# Altium PCB ElectroSketch_01.PcbDoc
Units mil, origin at the board's own origin, x right, y up, seen from the top; angles counter-clockwise.
Board outline 3937.01 x 2440.95 mil, 2 copper layers (Top Layer, Bottom Layer), stack 65.792 mil thick; 21 components, 26 nets, 105 pads, 24 vias.
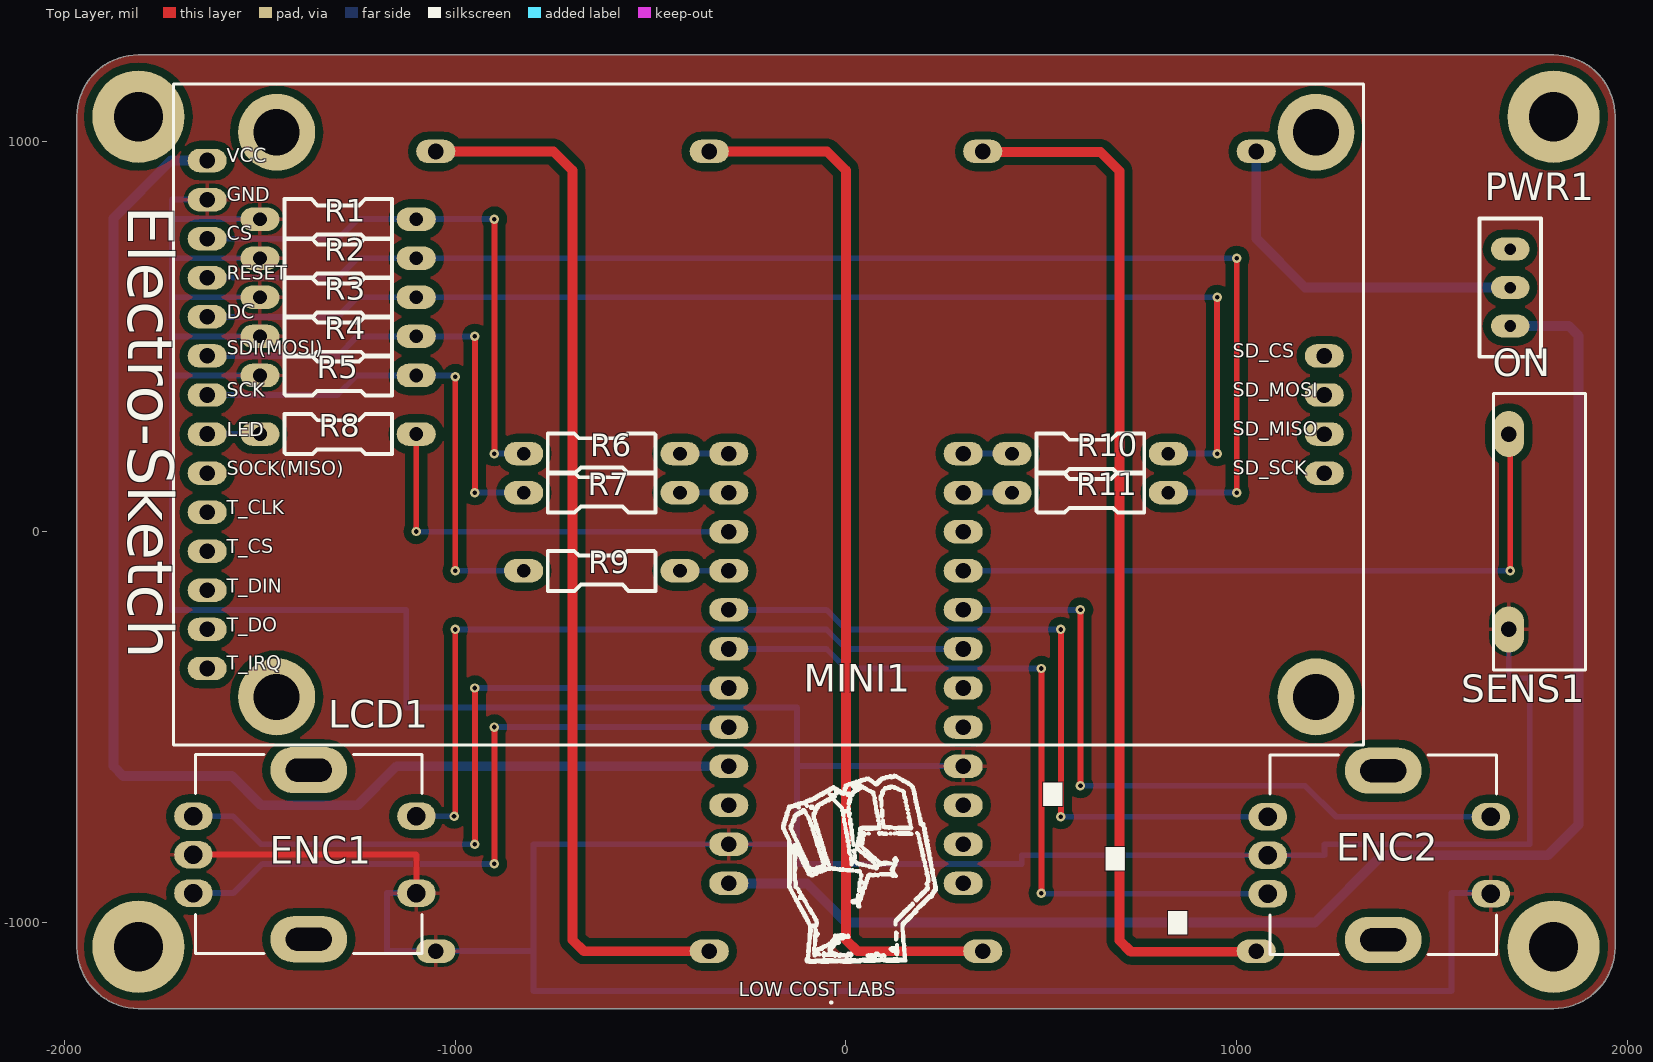
[diagram p0: Top Layer view]
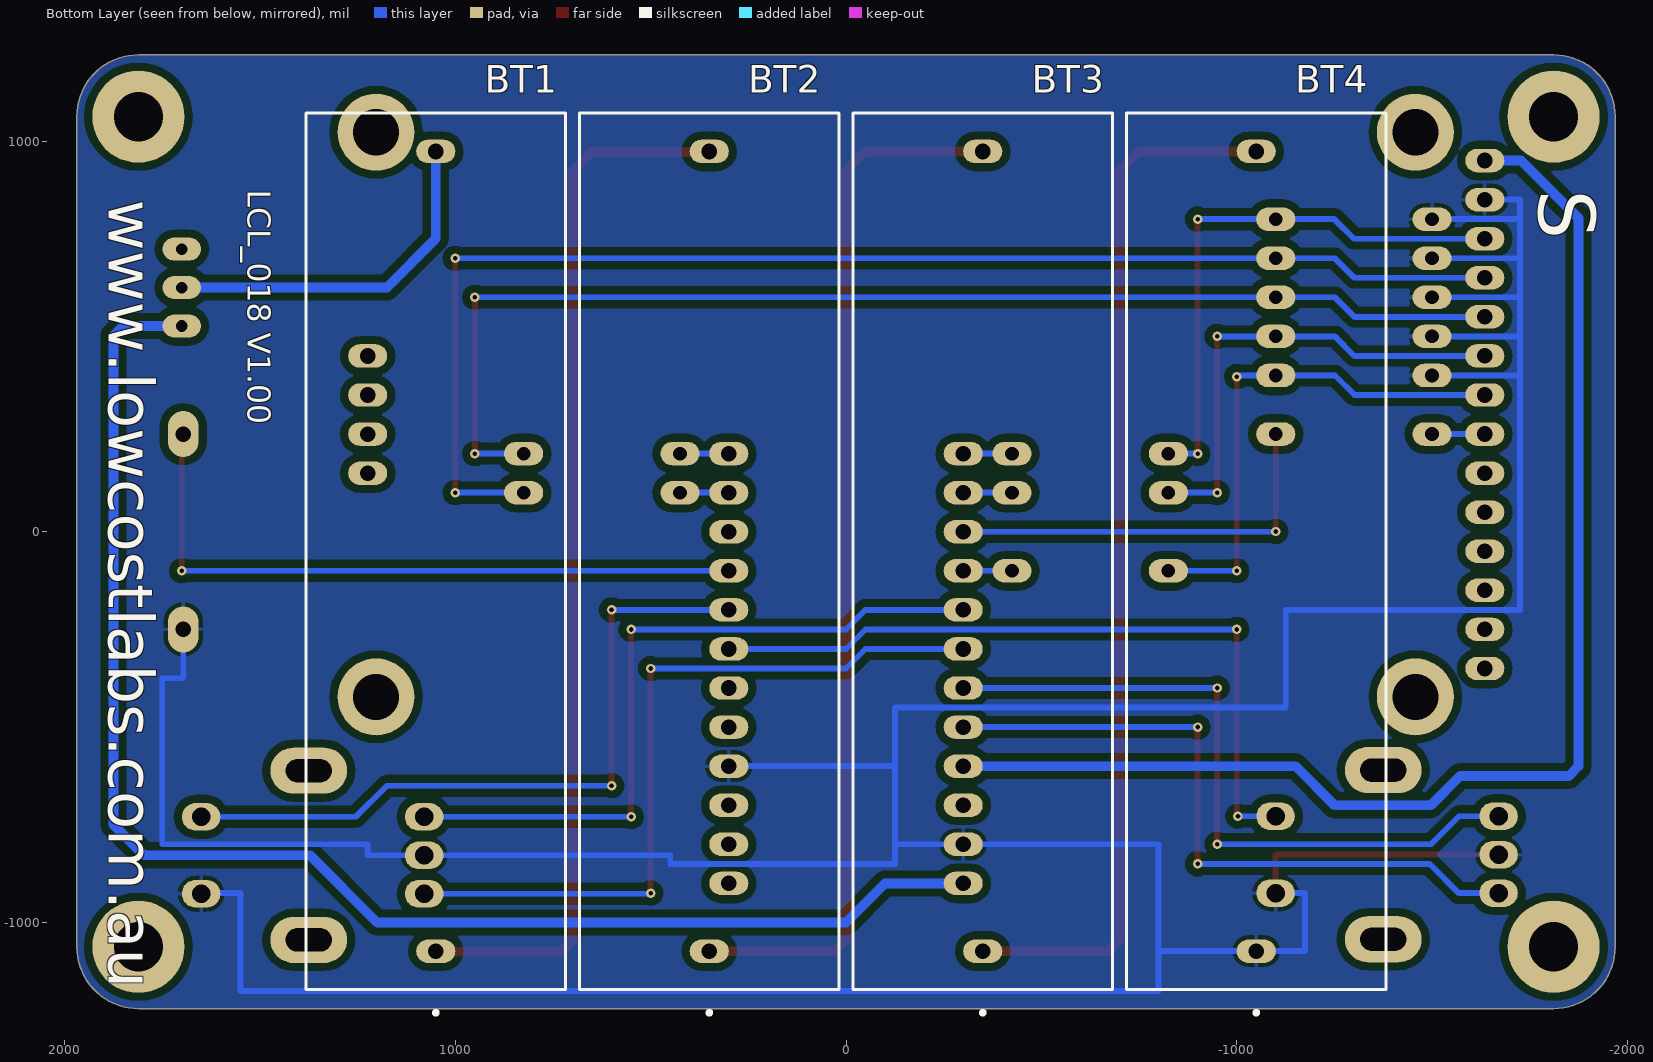
[diagram p1: Bottom Layer view, seen from below]

## Layer stack, top to bottom
Top Solder: solder mask 0.4, Solder Resist, Dk 3.5
Top Layer: signal copper 1.4
Dielectric 1: dielectric 62.9921, FR-4, Dk 4.8
Bottom Layer: signal copper 1.4
Bottom Solder: solder mask 0.4, Solder Resist, Dk 3.5

## Board outline
-1968.5,-1062.99 -1968.5,1062.99 cw(c-1811.02,1062.99) -1811.02,1220.47 1811.02,1220.47 cw(c1811.02,1062.99) 1968.5,1062.99 1968.5,-1062.99 cw(c1811.02,-1062.99) 1811.02,-1220.47 -1811.02,-1220.47 cw(c-1811.02,-1062.99)

## Design rules (kind name [scope] priority, off if disabled: settings)
Clearance Poly_GND [inPolygon vs not innet (gnd)] p1: gap=20
Clearance [All] p2: gap=8
HoleSize [All] p1 off: absolutevalues=TRUE maxlimit=100 minlimit=1 maxpercent=80.000 minpercent=20.000
HoleSize Testpoint [All] p2 off: absolutevalues=TRUE maxlimit=100 minlimit=1 maxpercent=80.000 minpercent=20.000
HoleSize TestPointUsage [All] p3 off: absolutevalues=TRUE maxlimit=100 minlimit=1 maxpercent=80.000 minpercent=20.000
HoleToHoleClearance [All] p1 off: gap=10 allowstackedmicrovias=TRUE
LayerPairs [All] p1 off: enforce=TRUE
MinimumSolderMaskSliver [All] p1 off: minsoldermaskwidth=10
MinimumSolderMaskSliver SilkscreenOverComponentPads [All] p2 off: minsoldermaskwidth=10
NetAntennae [All] p1 off: netantennaetolerance=0
PolygonConnect [All] p1: connectstyle=Relief reliefconductorwidth=10 reliefentries=4 polygonreliefangle="90 Angle" airgapwidth=10
RoomDefinition ElectroSketch [InComponentClass('ElectroSketch')] p1: confinementstyle=ConfineIn formatcopy=TRUE lockcomponents=FALSE outline -1968.5,-1220.47 1968.5,-1220.47 1968.5,1220.47 -1968.5,1220.47
RoutingVias [All] p1: holewidth=12 width=24 viastyle="Through Hole" minholewidth=12 minwidth=24 maxholewidth=28 maxwidth=50
SilkToSilkClearance [All] p1 off: silktosilkclearance=10
SilkToSolderMaskClearance [IsPad] p1 off: minsilkscreentomaskgap=10 clearancetoexposedcopper=TRUE
SolderMaskExpansion [All] p1: expansion=4
Width Standard [All] p1: maxlimit=25 minlimit=8 preferedwidth=8
Width Power [inNet('VIN')] p2: maxlimit=100 minlimit=8 preferedwidth=25
23 further rules are at their usual default settings.

## Components (designator, comment, footprint, x,y, rotation, side; value= is the part's Value field where it differs from the comment)
BT1 "AA" "AA HOLDER" 1050,-50 r270 bottom
BT2 "AA" "AA HOLDER" 350,-50 r270 bottom
BT3 "AA" "AA HOLDER" -350,-50 r270 bottom
BT4 "AA" "AA HOLDER" -1050,-50 r270 bottom
ENC1 "EC11 ENCODER" "EC11 ENCODER" -1375,-825 r180 top
ENC2 "EC11 ENCODER" "EC11 ENCODER" 1375,-826.54 r180 top
LCD1 "2.4 TFT 240X320" "2.4\" TFT LCD" -260,275 r0 top
MINI1 "ARDUINO PRO MINI" "ARDUINO PRO MINI" 0,-350 r0 top
PWR1 "SS12D00G3" SS12D00G3 1700,624.99 r270 top (schematic designator PWR)
R1 "3k3" "RESISTOR 0.400\"" -1300,800 r0 top (schematic designator R6)
R2 "3k3" "RESISTOR 0.400\"" -1300,700 r0 top (schematic designator R7)
R3 "3k3" "RESISTOR 0.400\"" -1300,600 r0 top (schematic designator R8)
R4 "3k3" "RESISTOR 0.400\"" -1300,500 r0 top (schematic designator R9)
R5 "3k3" "RESISTOR 0.400\"" -1300,400 r0 top (schematic designator R10)
R6 "2k2" "RESISTOR 0.400\"" -625,200 r180 top (schematic designator R1)
R7 "2k2" "RESISTOR 0.400\"" -625,100 r180 top (schematic designator R4)
R8 "10R" "RESISTOR 0.400\"" -1300,250 r0 top (schematic designator R11)
R9 "2k2" "RESISTOR 0.400\"" -625,-100 r180 top (schematic designator R5)
R10 "2k2" "RESISTOR 0.400\"" 625,200 r0 top (schematic designator R3)
R11 "2k2" "RESISTOR 0.400\"" 625,100 r0 top (schematic designator R2)
SENS1 "SHAKE SENSOR" "SHAKE SENSOR" 1775,0 r90 top

## Footprints (in the part's own frame and the unit in brackets; to place one, negate y for a bottom-side part, rotate by r counter-clockwise, add the part's x,y. Pads: shape width x height; smd on the part's side, far side on the other; paste and mask are expansions set on the pad)
"2.4\" TFT LCD" [mil]
  oval 100x60 hole 40: 1(-1375,675) 2(-1375,575) 3(-1375,475) 4(-1375,375) 5(-1375,275) 6(-1375,175) 7(-1375,75) 8(-1375,-25) 9(-1375,-125) 10(-1375,-225) 11(-1375,-325) 12(-1375,-425) 13(-1375,-525) 14(-1375,-625) 15(1484.21,174.93) 16(1484.21,74.93) 17(1484.21,-25.07) 18(1484.21,-125.07)
  round 196.85 hole 118.11 unplated: MOUNT(-1197.29,-697.56) MOUNT(-1197.29,747.43) MOUNT(1462.71,-697.56) MOUNT(1462.71,747.43)
  silkscreen extent -1461,-821 1584,870, body extent -1461,-821 1584,870, height 604
"AA HOLDER" [mm]
  oval 1.524x2.54 hole 1.02 paste-1000 mask+0: 1(-25.995,0) 2(25.995,0)
  silkscreen extent -28.5,-8.44 30.12,8.44, body extent -28.36,-8.43 28.63,8.46, height 13.91
"ARDUINO PRO MINI" [mil]
  oval 100x60 hole 40: 1(300,-550) 2(300,-450) 3(300,-350) 4(300,-250) 5(300,-150) 6(300,-50) 7(300,50) 8(300,150) 9(300,250) 10(300,350) 11(300,450) 12(300,550) 13(-300,550) 14(-300,450) 15(-300,350) 16(-300,250) 17(-300,150) 18(-300,50) 19(-300,-50) 20(-300,-150) 21(-300,-250) 22(-300,-350) 23(-300,-450) 24(-300,-550)
  body extent -350,-700 350,600, height 239
"EC11 ENCODER" [mm] "EC11 ROTARY ENCODER"
  oval 2.5x1.8 hole 1.2: 1(7.5,-2.461) 2(7.5,0.039) 3(7.5,2.539) 4(-7,2.539) 5(-7,-2.461)
  oval 5x3 hole 1.5 slot 3 at 0 deg: MOUNT(0,5.539) MOUNT(0,-5.461)
  silkscreen extent -7.37,-6.48 7.37,6.48, body extent -7.4,-6.55 7.73,6.55, height 31.73
"RESISTOR 0.400\"" [mil]
  oval 100x60 hole 35: 1(-200,0) 2(200,0)
  silkscreen extent -137,-51 138,51, body extent -211,-51 211,51, height 106
"SHAKE SENSOR" [mm]
  oval 3x2 hole 1: 1(-6.35,2) 2(6.35,2)
  silkscreen extent -9,-3 9,3, body extent -9,-3 9,3, height 6
SS12D00G3 [mm] "SS12D00G3 TOGGLE SWITCH"
  oval 1.5x2.5 hole 0.75: 1(-2.5,0) 2(0,0) 3(2.5,0)
  silkscreen extent -4.5,-2 4.5,2, body extent -4.29,-1.85 4.29,1.85, height 6.97

## Part data
BT1 BT2 BT3 BT4: library part Battery, "Multicell Battery"
ENC1 ENC2: "EC11 ROTARY ENCODER WITH PUSH BUTTON"
PWR1: library part "SS12D00G3 Toggle Switch", "SS12D00G3 Toggle Switch"
R1 R2 R3 R4 R5 R6 R7 R8 R9 R10 R11: library part CMP-iaxfckaaxq3jb0c9euu5-1, "RESISITOR THROUGH HOLE 1/4W"

## Free pads (board coordinates)
  round 10 on Mech16: 1(5082.1,-3582.94) 1(5082.1,-3582.94) 1(5082.62,-3660.05) 1(5082.62,-3660.05) 1(5269.4,-3515.17) 1(5269.4,-3515.17)
  round 236.22 hole 125.98: MOUNT(-1811.02,-1062.4) MOUNT(-1811.02,1062.4) MOUNT(1811.02,-1062.4) MOUNT(1811.02,1062.4)

## Via types
v1: diameter 24, hole 12, Top Layer to Bottom Layer, 24 vias

## Nets (pads, with @x,y where several pads share a name; then routed paths per layer and width w, separated by ;. In a path a pad name is that pad's centre, name@x,y a point inside that pad or via, vN(x,y) a via of type N, cw(c..) or ccw(c..) an arc to the next point about the centre after c; other vN are vias at no path point)
CS: MINI1.13 R6.1 | length 125
  Bottom Layer w15: R6.1 MINI1.13
DC/RS: MINI1.12 R10.1 | length 125
  Bottom Layer w15: MINI1.12 R10.1
EN1_A: ENC1.1 MINI1.19 | length 1800.1
  Top Layer w15: v1(-950,-800) v1(-950,-400)
  Bottom Layer w15: ENC1.1 -1569.14,-728.11 -1497.25,-800 v1(-950,-800) ; v1(-950,-400) MINI1.19
EN1_B: ENC1.3 MINI1.20 | length 1751.3
  Top Layer w15: v1(-900,-850) v1(-900,-500)
  Bottom Layer w15: ENC1.3 -1568.22,-924.97 -1493.25,-850 v1(-900,-850) ; v1(-900,-500) MINI1.20
EN2_A: ENC2.1 MINI1.17 | length 1880.1
  Top Layer w15: v1(550,-729.65) v1(550,-250)
  Bottom Layer w15: MINI1.17 -50,-200 0,-250 v1(550,-250) ; v1(550,-729.65) ENC2.1
EN2_B: ENC2.3 MINI1.18 | length 1976.9
  Top Layer w15: v1(500,-924.97) v1(500,-350)
  Bottom Layer w15: MINI1.18 -50,-300 0,-350 v1(500,-350) ; v1(500,-924.97) 500,-926.51 ENC2.3
GND: BT4.2 ENC1.2 ENC1.4 ENC2.2 ENC2.4 LCD1.2 MINI1.4 MINI1.23 R1.1 R2.1 R3.1 R4.1 R5.1 SENS1.1 | length 12485.2
  Top Layer w15: ENC1.2 -1100.95,-826.54 -1099.41,-828.08 ENC1.4
  Bottom Layer w15: LCD1.2 -1725,850 -1725,800 ; R5.1 -1725,400 ; R4.1 -1725,500 ; R3.1 -1725,600 ; R2.1 -1725,700 ; R1.1 -1725,800 ; ENC1.4 -1175,-924.97 -1175,-1073.43 BT4.2 -800,-1073.43 ; MINI1.4 -125,-600 ; ENC2.4 1649.05,-924.97 1550,-924.97 1550,-1175 -800,-1175 -800,-1073.43 ; SENS1.1 1696.26,-371.26 1700,-375 1750,-375 1750,-800 1225,-800 1225,-828.08 ENC2.2 450,-828.08 450,-850 -125,-850 -125,-800 ; -1725,400 -1725,-200 -1125.59,-200 -1125.59,-450 -125,-450 -125,-600 ; -1725,400 -1725,500 ; -1725,500 -1725,600 ; -1725,600 -1725,700 ; -1725,700 -1725,800 ; -800,-1073.43 -800,-800 MINI1.23 -125,-800 ; -125,-800 -125,-600
LCD_LED: MINI1.15 R8.2 | length 1049.7
  Top Layer w15: v1(-1100,0.59) R8.2
  Bottom Layer w15: v1(-1100,0.59) -1099.41,0 MINI1.15
LCD_RESET: MINI1.11 R11.1 | length 125
  Bottom Layer w15: MINI1.11 R11.1
NetBT1_1: BT1.1 PWR1.2 | length 925.2
  Bottom Layer w25: BT1.1 1050,750 1175,625 PWR1.2
NetBT1_2: BT1.2 BT2.1 | length 2701.6
  Top Layer w25: BT2.1@350,971.85 651.57,971.85 700,923.43 700,-1046.19 728.81,-1075 BT1.2@1050,-1075
NetBT2_2: BT2.2 BT3.1 | length 2701.6
  Top Layer w25: BT3.1 -48.43,973.43 0,925 0,-1044.62 28.81,-1073.43 BT2.2
NetBT3_2: BT3.2 BT4.1 | length 2701.6
  Top Layer w25: BT4.1 -748.43,973.43 -700,925 -700,-1044.62 -671.19,-1073.43 BT3.2
NetLCD1_3: LCD1.3 R1.2 R6.2 | length 1430.7
  Top Layer w15: v1(-900,200) v1(-900,800)
  Bottom Layer w15: LCD1.3 -1300,750 -1250,800 R1.2 v1(-900,800) ; v1(-900,200) R6.2
NetLCD1_4: LCD1.4 R2.2 R11.2 | length 3430.7
  Top Layer w15: v1(1000,100) v1(1000,700)
  Bottom Layer w15: LCD1.4@-1635.59,650 -1300.59,650 -1250.59,700 R2.2@-1100.59,700 ; R2.2 v1(1000,700) ; R11.2 v1(1000,100)
NetLCD1_5: LCD1.5 R3.2 R10.2 | length 3130.7
  Top Layer w15: v1(950,200) v1(950,600)
  Bottom Layer w15: LCD1.5@-1636.18,550 -1301.18,550 -1251.18,600 R3.2@-1101.18,600 ; R3.2 v1(950,600) ; R10.2 v1(950,200)
NetLCD1_6: LCD1.6 R4.2 R7.2 | length 1230.7
  Top Layer w15: v1(-950,100) v1(-950,500)
  Bottom Layer w15: LCD1.6@-1636.18,450 -1301.18,450 -1251.18,500 R4.2@-1101.18,500 ; R4.2 v1(-950,500) ; v1(-950,100) R7.2
NetLCD1_7: LCD1.7 R5.2 R9.2 | length 1328.9
  Top Layer w15: v1(-1000,-100) v1(-1000,396.89)
  Bottom Layer w15: LCD1.7@-1636.77,350 -1301.77,350 -1251.77,400 R5.2@-1101.77,400 ; R5.2 -1003.11,400 v1(-1000,396.89) ; v1(-1000,-100) R9.2
NetLCD1_8: LCD1.8 R8.1 | length 135
  Bottom Layer w15: LCD1.8 R8.1
SCK: MINI1.16 R9.1 | length 125
  Bottom Layer w15: R9.1 MINI1.16
SDI: MINI1.14 R7.1 | length 125
  Bottom Layer w15: R7.1 MINI1.14
SHAKE: MINI1.9 SENS1.2 | length 1746.3
  Top Layer w15: v1(1700,-100) SENS1.2@1700,246.26
  Bottom Layer w15: MINI1.9 v1(1700,-100)
SW1: ENC1.5 MINI1.7 | length 1896.4
  Top Layer w15: v1(-1003.11,-728.11) -1000,-725 v1(-1000,-250)
  Bottom Layer w15: ENC1.5 v1(-1003.11,-728.11) ; v1(-1000,-250) -50,-250 0,-300 MINI1.7
SW2: ENC2.5 MINI1.8 | length 1833.6
  Top Layer w15: v1(600,-650) v1(600,-200)
  Bottom Layer w15: MINI1.8 v1(600,-200) ; v1(600,-650) 1175,-650 1254.65,-729.65 ENC2.5
VBAT: MINI1.24 PWR1.3 | length 3756.9
  Bottom Layer w25: MINI1.24 -100,-900 0,-1000 1200,-1000 1371.92,-828.08 1796.92,-828.08 1875,-750 1875,501.57 1850,526.57 PWR1.3
VCC: LCD1.1 MINI1.21 | length 3361.4
  Bottom Layer w25: LCD1.1 -1727.4,950 -1875,802.4 -1875,-600 -1850,-625 -1571.89,-625 -1496.89,-700 -1250,-700 -1150,-600 MINI1.21
pads on no net: ENC1.MOUNT ENC2.MOUNT LCD1.9 LCD1.10 LCD1.11 LCD1.12 LCD1.13 LCD1.14 LCD1.15 LCD1.16 LCD1.17 LCD1.18 LCD1.MOUNT MINI1.1 MINI1.2 MINI1.3 MINI1.5 MINI1.6 MINI1.10 MINI1.22 PWR1.1

## Polygon pours and split planes (outlines as drawn)
GND on Top Layer "TOP GND" (solid, remove dead copper, pour order 0): -1968.5,-1062.99 -1968.5,1062.99 cw(c-1811.02,1062.99) -1811.02,1220.47 1811.02,1220.47 cw(c1811.02,1062.99) 1968.5,1062.99 1968.5,-1062.99 cw(c1811.02,-1062.99) 1811.02,-1220.47 -1811.02,-1220.47 cw(c-1811.02,-1062.99)
GND on Bottom Layer "BOTTOM GND" (solid, remove dead copper, pour order 1): -1968.5,-1062.99 -1968.5,1062.99 cw(c-1811.02,1062.99) -1811.02,1220.47 1811.02,1220.47 cw(c1811.02,1062.99) 1968.5,1062.99 1968.5,-1062.99 cw(c1811.02,-1062.99) 1811.02,-1220.47 -1811.02,-1220.47 cw(c-1811.02,-1062.99)

## Silkscreen, mask and mechanical layers (free items; w line width, h text height)
Top Overlay:
  drawing of 3736 lines, arcs and shapes, not listed
  text "Electro-Sketch" at -1875,834.01 h200 r270
  text "ON" at 1655.34,375 h120
  text "⋱" at 450,-1100 h600
  text "LOW COST LABS" at -275,-1200 h60
Bottom Overlay:
  text "S" at -1725,875 h250 r90
  text "LCL_018 V1.00" at 1550,875 h100 r90
  text "www.lowcostlabs.com.au" at 1925,850 h200 r90
Mechanical 1:
  the board outline again, w3.94
Mechanical 32:
  drawing of 655 lines, arcs and shapes, not listed
  text "1" at -4645.67,3996.06 h100
  text "2" at -1377.95,3996.06 h100
  text "3" at 1574.8,3996.06 h100
  text "4" at 4389.76,3996.06 h100
  text "A" at -5767.72,3090.55 h100
  text "A" at 5728.35,3090.55 h100
  text "B" at -5787.4,1003.94 h100
  text "B" at 5708.66,1003.94 h100
  text "C" at -5767.72,-1122.05 h100
  text "C" at 5728.35,-1122.05 h100
  text "D" at -5767.72,-3248.03 h100
  text "D" at 5728.35,-3248.03 h100
  text "LOW COST LABS" at 2696.85,-3307.09 h100
  text "TITLE: Electro-Sketch" at 1377.95,-3523.62 h100
  text "ludzinc.blogspot.com.au" at 3725,-3550 h100
  text "SIZE: A4" at 1377.95,-3700.79 h100
  text "Number: LCL_018" at 2204.72,-3700.79 h100
  text "Revison 1.00" at 2992.13,-3700.79 h100
  text "www.lowcostlabs.com.au" at 3740.16,-3700.79 h100
  text "DATE:" at 1377.95,-3818.9 h100
  text ".Print_Date" at 1614.17,-3818.9 h100
  text "SHEET 1 of 1" at 2992.13,-3818.9 h100
  text "FILE:" at 1377.95,-3917.32 h100
  text ".Pcb_File_Name" at 1614.17,-3917.32 h100
  text "S" at -5649.61,-3937.01 h100
  text "1" at -4645.67,-4055.12 h100
  text "2" at -1377.95,-4055.12 h100
  text "3" at 1574.8,-4055.12 h100
  text "4" at 4389.76,-4055.12 h100

## Text inside footprints (layer, text, board x,y; h text height)
LCD1: Top Overlay "SD_SCK" at 990,134.06 h60; Top Overlay "SD_MISO" at 990,234.06 h60; Top Overlay "SD_MOSI" at 990,334.06 h60; Top Overlay "SD_CS" at 990,434.06 h60; Top Overlay "VCC" at -1585,934.13 h60; Top Overlay "GND" at -1585,834.01 h60; Top Overlay "CS" at -1585,733.89 h60; Top Overlay "RESET" at -1585,633.77 h60; Top Overlay "DC" at -1585,533.66 h60; Top Overlay "SDI(MOSI)" at -1585,440.87 h60; Top Overlay "SCK" at -1585,333.42 h60; Top Overlay "LED" at -1585,232.86 h60; Top Overlay "T_CLK" at -1585,33.07 h60; Top Overlay "T_CS" at -1585,-67.05 h60; Top Overlay "T_DIN" at -1585,-167.17 h60; Top Overlay "T_DO" at -1585,-267.28 h60; Top Overlay "T_IRQ" at -1585,-364.35 h60; Top Overlay "SOCK(MISO)" at -1585,133.19 h60